# Allegro board RK_NVR_DEMO_RK3568_DDR4P216SD4_V12_20201221YWQ_final.brd (continued)
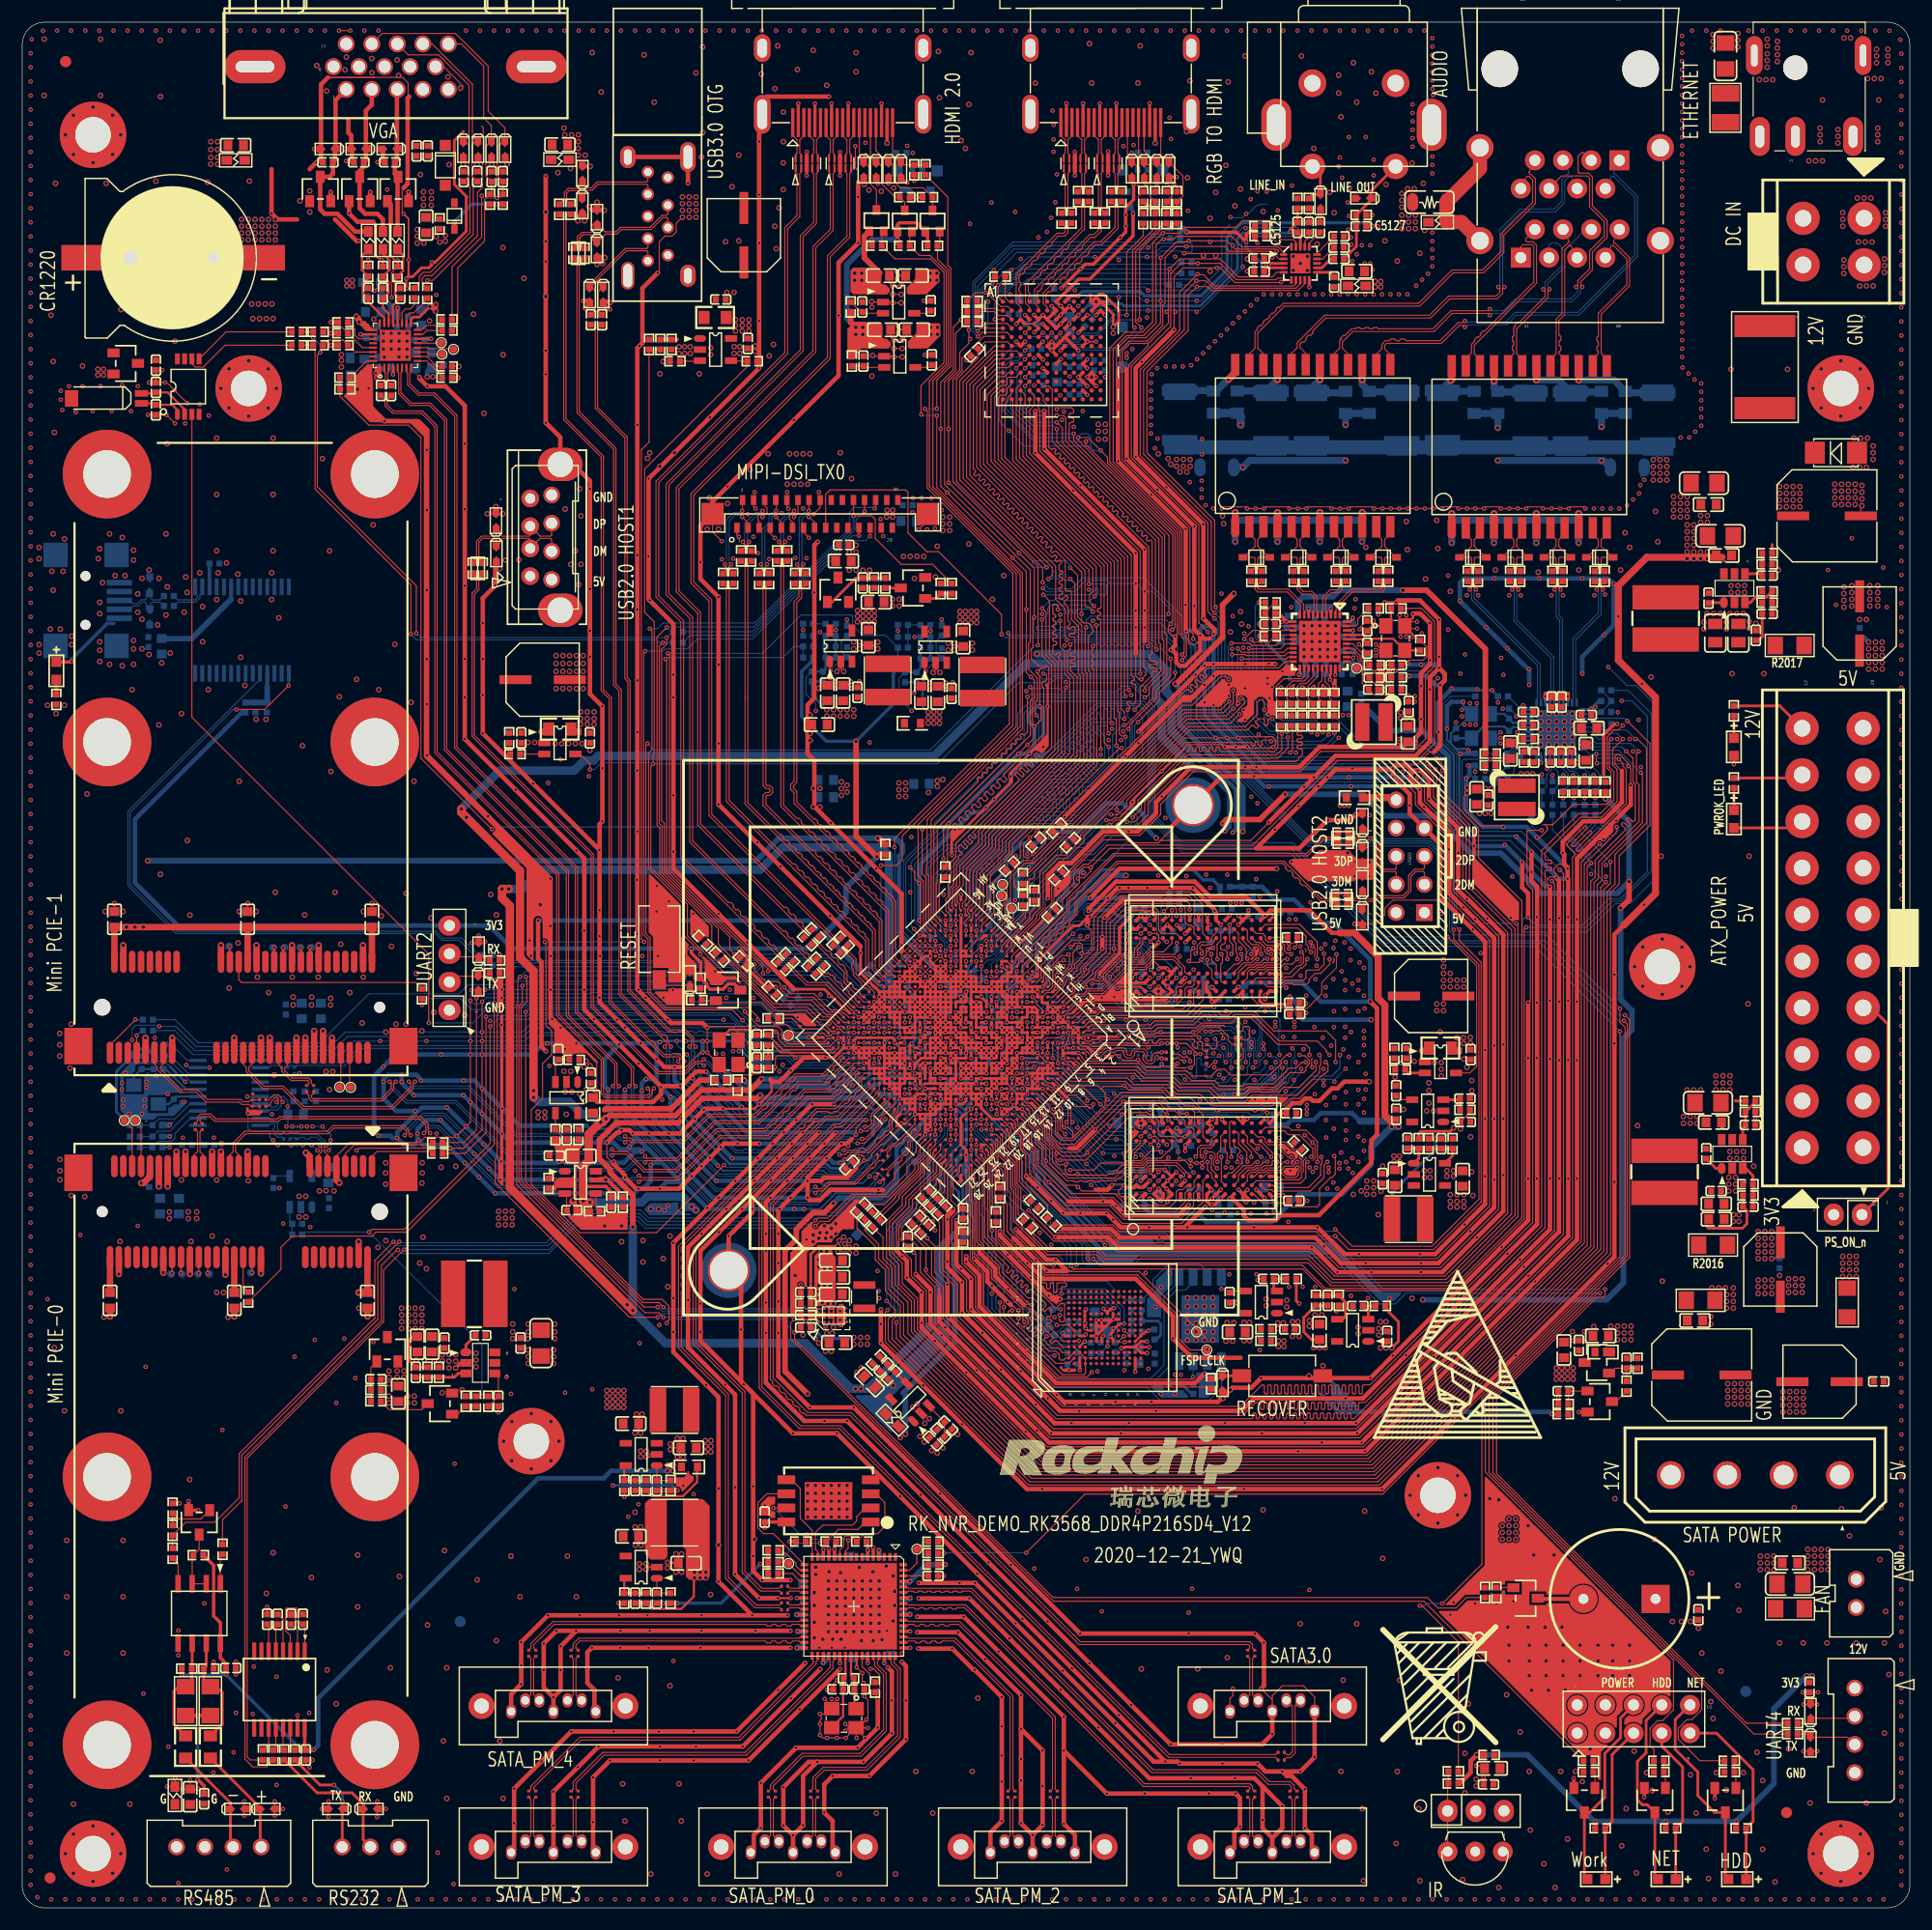
[diagram p0: board, top side]
## Routing (per net, layer and track width the routed paths; a pad name or vN(x,y) marks a point on that pad's centre or on a via; arc(x,y) is an arc through that point) (continued)
DDR4_A12: length 43.7
  TOP w0.102: U1000.C4 v1(94.69,78.43) ; v1(109.49,67.24) 109.49,67.89 109.74,68.14 109.74,68.28 109.46,68.57 109.29,68.57 109.19,68.67 U3301.M7 ; v1(109.49,85.52) 109.47,85.54 109.47,86.06 109.37,86.16 109.37,86.94 109.19,87.12 U3300.M7
  POWER w0.1: v1(109.49,67.24) 109.49,67.45 109.49,67.45 109.49,67.95 109.92,68.38 109.92,69.32 110.42,69.81 110.42,70.64 110.42,70.65 110.42,70.67 110.72,70.96 110.72,71.3 110.42,71.6 110.42,74.28 110.36,74.34 110.36,75.35 110.25,75.46 110.25,76.22 v1(110.24,76.24) 110.24,76.24 110.24,77.17 110.1,77.31 110.1,78.35 110.29,78.54 110.29,79.3 110.59,79.6 110.59,83.13 109.73,83.98 109.73,85.06 109.49,85.3 v1(109.49,85.52)
  BOTTOM w0.089: v1(94.69,78.44) 95.15,78.44 95.86,79.14
  BOTTOM w0.102: v1(110.24,76.24) 110.24,77.22 110.19,77.27 110.19,78.94 110.08,79.04 109.37,79.04 108.97,79.45 106.43,79.45 106.02,79.86 101.98,79.86 101.27,79.14 95.86,79.14
DDR4_A13: length 58
  TOP w0.102: v1(116.89,76.89) 116.99,76.78 116.99,76 116.89,75.9 116.89,75.29 114.86,73.25 110.79,73.25 110.19,72.64 107.92,72.64 106.91,73.66 104.14,73.66 103.59,74.21 100.18,74.21 99.59,74.8 94.64,74.8 93.76,75.68 U1000.B8 ; U3300.T8 112.49,88.32 114.93,88.32 115.67,87.58 115.67,86.87 115.87,86.66 115.87,86.42 v1(116.14,86.16) ; U3301.T8 112.49,70.04 113.74,70.04 114.08,69.7 115.04,69.7 116.28,68.45 116.28,67.82 v1(116.14,67.69)
  POWER w0.1: v1(116.14,67.69) 116.14,67.96 117.12,68.94 117.12,73.74 116.88,73.98 116.88,76.87 v1(116.89,76.89) 116.83,76.95 116.83,78.83 117.09,79.09 117.09,83.52 117.17,83.6 117.17,84.15 116.72,84.59 116.49,84.59 116.14,84.94 v1(116.14,86.16)
DDR4_A14_WEN: length 41.7
  TOP w0.102: v1(94.69,77.52) 94.69,77.52 U1000.C5 ; U3301.L2 108.05,65.48 108.05,67.68 v1(108.04,67.69) ; v1(108.04,85.97) 108.15,85.86 108.15,85.24 107.99,85.08 107.99,83.58 108.14,83.42 U3300.L2
  POWER w0.1: v1(108.04,85.97) 108.04,85.22 108.61,84.64 108.61,82.8 109.13,82.28 109.13,80.53 108.94,80.34 108.94,77.03 v1(108.79,76.89) 108.77,76.87 108.77,76.03 108.61,75.87 108.61,75.47 108.9,75.18 108.9,72.93 109.3,72.53 109.3,72.35 109.3,72.35 109.3,70.34 108.79,69.82 108.79,68.81 108.04,68.06 v1(108.04,67.69)
  BOTTOM w0.102: v1(94.69,77.52) 94.85,77.67 96.62,77.67 96.71,77.77 100.17,77.77 100.63,78.23 101.85,78.23 102.21,78.59 105.23,78.59 106.1,77.72 107.95,77.72 108.15,77.93 108.46,77.93 108.66,77.72 108.66,77.02 v1(108.79,76.89)
DDR4_A15_CASN: length 47
  TOP w0.102: U3300.M8 109.59,87.82 109.59,87.16 110.29,86.46 110.29,85.65 v1(110.39,85.55) ; U3301.M8 109.44,69.94 109.61,69.77 109.61,68.86 110.34,68.13 110.34,67.31 v1(110.39,67.26) ; U1000.E4 v1(94.23,78.89)
  POWER w0.1: v1(110.39,85.55) 110.39,85.42 110.45,85.37 110.45,84.25 111.31,83.38 111.31,78.78 111.14,78.61 111.14,76.45 111.14,76.45 v1(111.14,76.24) 111.19,76.19 111.19,76.04 111.24,75.99 111.24,75.48 111.19,75.44 111.19,75 111.43,74.77 111.43,70.67 111.13,70.37 111.13,69.51 110.64,69.02 110.64,68.1 110.39,67.86 110.39,67.45 110.39,67.45 v1(110.39,67.26)
  BOTTOM w0.089: 95.25,79.45 94.83,79.03 94.37,79.03 v1(94.23,78.89)
  BOTTOM w0.1: 110.08,79.45 110.19,79.45 110.49,79.15 110.49,78.64
  BOTTOM w0.102: 110.49,78.64 110.69,78.44 110.9,78.44 111.1,78.23 111.1,77.32 110.95,77.17 110.95,76.43 v1(111.14,76.24) ; 110.08,79.45 109.68,79.86 109.27,79.86 109.17,79.76 106.73,79.76 106.33,80.16 101.85,80.16 101.14,79.45 95.25,79.45
DDR4_A16_RASN: length 43.3
  TOP w0.102: v1(107.69,67.24) 107.69,68.02 107.99,68.32 107.99,69.54 108.15,69.7 U3301.L8 ; U1000.D5 v1(93.32,77.98) ; U3300.L8 107.99,87.82 107.99,87.19 107.66,86.86 107.66,85.55 v1(107.69,85.52)
  POWER w0.1: v1(107.69,85.52) 107.69,85.13 108.31,84.52 108.31,82.67 108.83,82.15 108.83,80.66 108.63,80.46 108.63,77.29 108.44,77.1 108.44,76.45 108.44,76.45 v1(108.44,76.24) 108.44,76.06 108.31,75.92 108.31,75.44 108.59,75.15 108.59,72.8 108.99,72.4 108.99,72.22 108.99,72.22 108.99,70.46 108.48,69.95 108.48,69.11 108.05,68.68 108.05,68.48 107.69,68.12 v1(107.69,67.24)
  BOTTOM w0.089: v1(93.32,77.98) 93.45,77.84 93.91,77.84 94.56,77.19 94.83,77.19 95.1,77.46
  BOTTOM w0.102: 95.1,77.46 100.32,77.46 100.79,77.93 102.06,77.93 102.41,78.28 105.05,78.28 105.92,77.42 107.75,77.42 108.25,76.91 108.25,76.42 v1(108.44,76.24)
DDR4_ACTN: length 46.8
  TOP w0.102: U1000.E6 v1(92.86,76.6) ; v1(109.84,67.69) 109.88,67.65 109.88,67.12 109,66.24 108.7,66.24 U3301.L3 ; v1(109.84,85.97) 109.88,85.93 109.88,85.41 109.54,85.07 109.24,85.07 U3300.L3
  POWER w0.1: v1(109.84,85.97) 109.84,85.32 110.04,85.12 110.04,84.08 110.91,83.21 110.91,79.49 110.59,79.17 110.59,78.41 110.4,78.22 110.4,77.43 110.59,77.24 v1(110.59,76.89) 110.59,76.04 110.56,76 110.56,75.57 110.66,75.46 110.66,74.46 110.72,74.41 110.72,71.73 111.02,71.43 111.02,70.84 110.72,70.54 110.72,69.68 110.23,69.19 110.23,68.26 109.84,67.88 v1(109.84,67.69)
  BOTTOM w0.089: 93.78,76.15 93.76,76.15 93.45,76.46 92.99,76.46 v1(92.86,76.6)
  BOTTOM w0.102: v1(110.59,76.89) 110.59,76 110.39,75.79 110.39,75.29 110.19,75.08 109.17,75.08 108.48,74.4 107.65,74.4 107.54,74.29 104.65,74.29 103.66,75.28 100.57,75.28 100.32,75.53 95.55,75.53 95.53,75.51 94.55,75.51 93.9,76.15 93.78,76.15
DDR4_BA0: length 58.3
  TOP w0.102: v1(113.99,67.24) 113.69,67.24 113.14,66.69 112.06,66.69 111.87,66.5 111.32,66.5 111.12,66.3 110.66,66.3 110.39,66.03 110.39,65.54 110.19,65.33 U3301.N2 ; U3300.N2 110.39,83.82 110.39,84.32 110.66,84.59 111.12,84.59 111.32,84.79 111.87,84.79 112.06,84.98 113.14,84.98 113.69,85.52 v1(113.99,85.52) ; v1(91.15,75.82) 91.01,75.68 U1000.E11
  POWER w0.1: v1(113.99,85.52) 113.99,85.31 113.99,85.3 113.99,85.09 114.49,84.59 114.49,83.82 115,83.31 115,78.35 114.81,78.15 114.81,77.14 114.74,77.08 114.74,76.46 114.74,76.46 v1(114.74,76.24) 114.61,76.11 114.61,75.29 115.07,74.84 115.07,70.86 115.31,70.62 115.31,70.31 114.72,69.73 114.72,68.97 114.25,68.49 114.25,68.07 113.99,67.82 113.99,67.24 v1(113.99,67.24)
  BOTTOM w0.089: 91.88,74.9 91.87,74.9 91.14,75.64 91.14,75.81 v1(91.15,75.82)
  BOTTOM w0.102: 91.88,74.9 92.45,74.34 93.29,74.34 93.86,73.76 98.6,73.76 98.9,73.46 102.44,73.46 103.28,72.62 105.31,72.62 105.79,72.14 107.37,72.14 107.47,72.24 111.51,72.24 111.8,72.53 112.31,72.53 113.33,73.56 113.33,73.66 114.1,74.42 114.1,74.73 114.74,75.37 v1(114.74,76.24)
DDR4_BA1: length 56
  TOP w0.102: U3300.N8 110.25,88.22 110.39,88.08 110.39,87.24 110.81,86.82 111.35,86.82 111.61,86.56 111.61,86.01 v1(111.64,85.97) ; U1000.E9 v1(90.1,76.6) ; v1(111.64,67.69) 111.61,67.72 111.55,67.72 110.98,68.29 110.98,68.36 110.39,68.95 110.39,69.54 110.21,69.72 U3301.N8
  POWER w0.1: v1(111.64,85.97) 111.64,84.49 112.29,83.85 112.29,83.33 112.7,82.92 112.7,80.21 112.49,80 112.49,77.04 112.39,76.94 v1(112.39,76.89) 112.39,76.88 112.39,76.22 112.39,76.22 112.39,76.05 112.23,75.89 112.23,75.5 112.45,75.28 112.45,73.48 112.8,73.13 112.8,71.97 113.08,71.68 113.08,70.7 112.17,69.79 112.17,69.12 111.91,68.86 111.91,68.2 111.79,68.07 111.79,67.83 v1(111.64,67.69)
  BOTTOM w0.089: 93.11,75.04 93.1,75.04 92.64,75.04 91.85,75.82 91.85,76.11 91.44,76.52 91.1,76.52 90.97,76.65 90.15,76.65 v1(90.1,76.6)
  BOTTOM w0.102: 93.11,75.04 93.58,75.04 94.13,74.49 99.42,74.49 99.72,74.2 103.13,74.2 104.02,73.3 107.39,73.3 107.75,72.95 110.08,72.95 110.69,73.56 111.51,73.56 112.27,74.32 112.78,74.32 113.21,74.75 113.21,75.87 113.33,76 113.33,76.33 112.95,76.71 112.57,76.71 v1(112.39,76.89)
DDR4_BG0: length 54.6
  TOP w0.102: U3300.M2 109.59,83.82 109.59,84.34 110.25,85 110.94,85 111.13,85.19 111.56,85.19 111.89,85.52 112.17,85.52 v1(112.19,85.55) ; U3301.M2 109.38,65.32 109.59,65.54 109.59,66.05 110.25,66.71 110.94,66.71 111.13,66.9 111.56,66.9 111.89,67.24 112.17,67.24 v1(112.19,67.26) ; U1000.F8 v1(91.48,77.98)
  POWER w0.1: v1(112.19,85.55) 112.19,84.52 112.69,84.02 112.69,83.6 113.13,83.16 113.13,80.47 113.26,80.34 113.26,79.29 112.94,78.97 v1(112.94,76.24) 112.89,76.19 112.89,75.39 113.18,75.1 113.18,73.32 113.54,72.97 113.54,70.58 112.58,69.62 112.58,68.95 112.32,68.69 112.32,67.99 112.19,67.87 112.19,67.45 112.19,67.45 v1(112.19,67.26)
  BOTTOM w0.089: v1(91.48,77.98) 91.34,77.84 91.34,77.38 91.16,77.2 91.16,77.2 91.15,77.19 91.15,76.92 91.34,76.73 91.72,76.73 92.1,76.36 92.1,75.98 92.72,75.35 93.21,75.35
  BOTTOM w0.102: v1(112.94,76.24) 112.9,76.2 112.9,75.57 112.62,75.29 112.52,75.29 111.3,74.07 110.39,74.07 110.01,73.69 108.08,73.69 107.98,73.58 104.17,73.58 103.23,74.52 99.87,74.52 99.6,74.8 94.26,74.8 93.7,75.35 93.21,75.35
DDR4_BG1: length 18.9
  TOP w0.102: U1000.F7 91.94,78.08 92.29,78.44 v1(93.77,78.44)
  BOTTOM w0.089: 94.57,78.1 94.57,78.1 94.34,78.34 93.88,78.34 93.78,78.44 v1(93.77,78.44)
  BOTTOM w0.102: 94.57,78.1 94.6,78.08 96.22,78.08 96.37,78.23 99.92,78.23 100.33,78.64 101.55,78.64 102.21,79.3 105.77,79.3 106.43,78.64 107.24,78.64 107.37,78.77 108.53,78.77 108.92,78.38 R3320.2
DDR4_CKE: length 15
  TOP w0.089: R3307.1 R3306.2 106.48,77.25 106.43,77.3
  TOP w0.102: 106.43,77.3 106.32,77.4 106.32,77.99 106.22,78.09 106.02,78.09 105.92,77.99 105.92,77.58 105.82,77.48 105.66,77.48 105.43,77.7 105.43,77.85 105.63,78.05 105.63,78.21 105.56,78.28 102.51,78.28 102.16,77.93 101.96,77.93 101.85,78.03 101.85,78.13 101.75,78.23 101.55,78.23 101.45,78.13 101.45,78.03 101.35,77.93 101.16,77.93 101.06,78.03 101.06,78.13 100.96,78.23 100.75,78.23 100.65,78.13 100.65,78.03 100.55,77.93 99.6,77.93 99.57,77.96 97.37,77.96 97.04,77.64 96.43,77.64 96.17,77.9 95.69,77.9 U1000.B3
DDR4_CKE_A: length 14.5
  TOP w0.102: U3300.K2 107.19,83.82 107.19,84.53 106.77,84.96 v1(106.77,85.45) ; v1(107.48,78.34) 107.65,78.17 107.65,77.62 107.45,77.43 107.23,77.43 106.86,77.8 R3306.1
  POWER w0.089: v1(107.48,78.34) 107.54,78.4 107.54,79.12 107.31,79.35 106.34,79.35 106.25,79.44 106.25,79.67 106.34,79.76 107.44,79.76 107.54,79.86 107.54,80.48 107.74,80.68 107.74,81.05 108.08,81.39 108.08,81.86 107.75,82.19
  POWER w0.1: 107.75,82.19 107.59,82.35 107.59,83.34 107.44,83.49 107.44,84.38 106.79,85.03 106.79,85.42 v1(106.77,85.45)
DDR4_CKE_B: length 13.9
  TOP w0.102: U3301.K2 107.59,65.41 107.19,65.81 107.19,66.14 106.79,66.54 v1(106.79,67.24) ; R3307.2 106.73,75.9 106.83,75.79 106.93,75.79 107.4,76.26 v1(107.52,76.26)
  POWER w0.089: 107.14,68.64 107.14,68.58 107.14,68.58
  POWER w0.1: 107.14,68.64 107.14,69.29 107.75,69.9 107.75,71.41 108.15,71.82 108.15,72.04 107.54,72.64 107.54,74.54 107.48,74.6 107.48,75.33 107.85,75.69 107.85,76 107.61,76.24 107.59,76.24 107.57,76.26 v1(107.52,76.26) ; 107.14,68.58 106.99,68.43 106.99,68.04 106.81,67.85 106.81,67.25 v1(106.79,67.24)
DDR4_CLKN: length 11.6
  TOP w0.097: R3305.1 102.72,76.5 v1(102.67,76.56) 102.57,76.56 102.31,76.81 102.15,76.81 102.06,76.72 102.06,76.34 101.81,76.1 101.34,76.1 100.98,76.45 100.98,76.8 101.1,76.92 101.1,77.05 100.99,77.17 100.31,77.17 100.21,77.07 100.21,76.85 99.97,76.61 99.52,76.61 99.27,76.86 99.27,77.18 99.17,77.27 98.6,77.27 98.47,77.14 98.13,77.14 97.99,77.27 97.72,77.27 96.97,76.53 95.99,76.53 95.89,76.63 95.89,76.84 95.67,77.06 U1000.A4
  BOTTOM w0.097: R3301.1 102.34,76.56 v1(102.67,76.56) 103.05,76.56 R3305.1
DDR4_CLKN_A: length 17.9
  TOP w0.097: U3300.K8 107.59,87.92 107.14,87.47 107.14,87.17 107.05,87.07 106.2,87.07 105.87,86.74 105.87,86.16 v1(105.73,86.02)
  POWER w0.097: v1(105.73,86.02) 105.74,86.01 105.74,85.88 105.62,85.76 105.62,85.26 106.32,84.56 106.32,80.77 105.81,80.26 105.63,80.26 105.46,80.42 105.12,80.42 104.8,80.1 104.8,79.76 105.02,79.54 105.02,79.4 104.91,79.29 104.18,79.29 103.85,78.96 103.85,78.62 104.18,78.29 104.9,78.29 105.04,78.14 105.04,77.84 104.83,77.62 104.83,77.24 v1(104.7,77.11)
  BOTTOM w0.097: v1(104.7,77.11) 104.89,76.93 104.89,76.75 104.79,76.66 104.55,76.66 104.39,76.81 104.16,76.81 103.86,76.5 R3304.1
DDR4_CLKN_B: length 18.2
  TOP w0.097: U3301.K8 107.59,69.64 107.45,69.49 107.34,69.49 107.14,69.3 107.14,68.88 107,68.74 106.19,68.74 105.89,68.44 105.89,67.89 v1(105.74,67.74) ; R3305.2 103.75,76.61 104.19,76.61 104.39,76.4 104.61,76.4 v1(104.71,76.3)
  POWER w0.097: v1(105.74,67.74) 105.89,67.89 105.89,68.25 106.35,68.71 106.35,68.96 106.22,69.09 106.22,69.38 106.35,69.51 106.35,69.8 106.22,69.92 106.22,70.21 106.35,70.34 106.35,71.61 106.22,71.74 106.22,72.03 106.35,72.16 106.35,72.31 106.58,72.54 106.58,73.36 106.43,73.51 106.43,73.8 106.58,73.96 106.58,74.25 106.43,74.4 106.43,74.69 106.58,74.85 106.58,76.2 106.48,76.3 106.26,76.3 106.17,76.2 106.17,75.49 105.61,74.94 105.18,74.94 104.6,75.52 104.6,75.94 104.76,76.11 104.76,76.25 v1(104.71,76.3)
DDR4_CLKP: length 11.9
  TOP w0.097: U1000.B4 95.3,77.37 95.74,77.37 96.33,76.78 96.87,76.78 97.62,77.52 98.1,77.52 98.23,77.39 98.37,77.39 98.5,77.52 99.27,77.52 99.52,77.28 99.52,76.96 99.62,76.86 99.86,76.86 99.96,76.95 99.96,77.18 100.2,77.42 101.09,77.42 101.37,77.14 101.37,76.83 101.23,76.69 101.23,76.56 101.44,76.35 101.71,76.35 101.81,76.44 101.81,76.83 102.05,77.06 102.36,77.06 102.36,77.06 102.61,77.06 v1(102.67,77.11) 102.71,77.16 103.06,77.16 R3303.1
  BOTTOM w0.097: R3300.1 v1(102.67,77.11) R3303.1
DDR4_CLKP_A: length 17.5
  TOP w0.097: U3300.K7 107.39,87.22 107.39,87.07 107.15,86.82 106.73,86.82 106.67,86.77 106.48,86.77 106.43,86.82 106.3,86.82 106.12,86.64 106.12,86.46 106.22,86.36 106.32,86.36 106.41,86.28 106.41,86.14 106.29,86.02 v1(106.28,86.02)
  POWER w0.097: v1(106.28,86.02) 106.26,86.01 106.17,86.01 105.99,85.82 105.99,85.77 105.87,85.66 105.87,85.36 106.57,84.67 106.57,80.66 105.91,80.01 105.52,80.01 105.36,80.17 105.22,80.17 105.05,80 105.05,79.86 105.26,79.64 105.26,79.3 105.01,79.04 104.29,79.04 104.1,78.86 104.1,78.72 104.29,78.54 105,78.54 105.29,78.25 105.29,77.74 105.08,77.52 105.08,77.24 v1(105.21,77.11)
  BOTTOM w0.097: R3302.1 103.7,77.07 104.14,77.07 104.6,77.52 104.8,77.52 v1(105.21,77.11)
DDR4_CLKP_B: length 17.6
  TOP w0.097: v1(106.29,67.74) 106.14,67.88 106.14,68.33 106.3,68.49 107.1,68.49 107.39,68.78 107.39,68.94 U3301.K7 ; v1(105.23,76.3) 105.23,76.48 105,76.71 104.5,76.71 104.27,76.93 103.75,76.93 103.65,77.03 R3303.2
  POWER w0.097: v1(105.23,76.3) 105.01,76.08 105.01,76.01 104.85,75.84 104.85,75.62 105.29,75.18 105.51,75.18 105.92,75.59 105.92,76.3 106.16,76.54 106.59,76.54 106.83,76.3 106.83,75.15 106.83,75.14 106.83,72.44 106.6,72.21 106.6,68.61 106.14,68.15 106.14,67.88 v1(106.29,67.74)
DDR4_CS0N: length 14.8
  TOP w0.089: 108.66,78.24 109.07,77.83 R3309.1 109.3,78.24
  TOP w0.1: 108.66,78.24 108.66,78.56 108.52,78.7 ; 109.3,78.24 R3308.2
  TOP w0.102: U1000.A2 96.98,77.98 97.27,78.27 99.69,78.27 99.73,78.23 100.23,78.23 100.53,78.54 102.16,78.54 102.21,78.59 105.66,78.59 106.43,79.35 107.87,79.35 108.52,78.7
DDR4_CS0N_A: length 13.2
  TOP w0.089: 110.05,78.24 110.05,78.23 110.29,78.23 110.29,78.24 110.39,78.24
  TOP w0.1: v1(109.52,79.45) 109.52,79.1 109.63,78.99 109.88,78.99 109.98,79.09 109.98,79.35 110.08,79.45 110.49,79.45 110.59,79.35 110.59,78.44 110.39,78.24 ; R3308.1 110.05,78.24
  TOP w0.102: v1(108.59,85.52) 108.56,85.56 108.56,86.16 108.36,86.36 108.07,86.36 107.97,86.46 107.97,86.69 108.15,86.87 108.29,86.87 108.39,86.97 U3300.L7
  POWER w0.1: v1(109.52,79.45) 109.52,79.5 109.34,79.68 109.34,80.17 109.54,80.37 109.54,81.67 109.85,81.98 109.85,82.33 109.68,82.5 109.58,82.5 109.02,83.06 109.02,84.81 108.59,85.24 v1(108.59,85.52)
DDR4_CS0N_B: length 13.7
  TOP w0.089: v1(109.34,76.24) 109.61,76.24 110.03,76.65 110.03,77.42 109.85,77.59 R3309.2
  TOP w0.102: v1(108.59,67.24) 108.56,67.27 108.56,68.07 108.39,68.24 U3301.L7
  POWER w0.1: v1(108.59,67.24) 108.59,68.04 109.2,68.65 109.2,69.6 109.71,70.1 109.71,73.52 109.6,73.62 109.6,75.09 109.29,75.4 109.29,76.19 v1(109.34,76.24)
DDR4_DML_A: length 15.7
  TOP w0.089: U1000.H5 v1(92.4,79.81)
  TOP w0.102: U3300.E7 103.59,86.95 102.81,86.17 101.6,86.17 100.87,85.44 99.69,85.44 99.49,85.65 99.22,85.65 97.64,84.07 97.64,83.58 97.36,83.3 v1(96.41,83.3)
  BOTTOM w0.089: v1(92.4,79.81) 92.86,79.81 93.38,80.34 93.38,80.34 93.82,80.78 93.95,80.78
  BOTTOM w0.102: v1(96.41,83.3) 96.41,83.06 94.13,80.78 93.95,80.78
DDR4_DML_B: length 21.3
  TOP w0.102: U1000.E17 v1(87.8,73.38) ; U3301.E7 103.59,68.54 102.61,67.56 101.3,67.56 100.88,67.14 97.19,67.14 96.56,66.51 v1(94.43,66.51)
  BOTTOM w0.089: 88.7,72.04 88.68,72.04 88.39,72.33 88.39,72.33 87.8,72.92 87.8,73.38 v1(87.8,73.38)
  BOTTOM w0.102: 88.7,72.04 89.39,71.34 89.78,71.34 92.23,68.9 92.23,67.99 93.7,66.51 v1(94.43,66.51)
DDR4_DMU_A: length 20.6
  TOP w0.102: U1000.J4 91.94,80.94 91.39,81.48 91.39,81.74 v1(91.02,82.11) ; U3300.E2 v1(103.99,83.82)
  BOTTOM w0.102: v1(91.02,82.11) 91.49,82.11 92.9,83.52 92.9,85.63 94.45,87.18 95.15,87.18 95.44,86.89 96.52,86.89 96.8,87.18 98.94,87.18 99.22,86.9 101.02,86.9 102.18,85.74 102.68,85.74 103.89,84.53 103.89,83.93 v1(103.99,83.82)
DDR4_DMU_B: length 19.3
  TOP w0.102: U3301.E2 v1(103.99,65.53) ; U1000.D14 v1(90.1,73.84)
  BOTTOM w0.102: v1(90.1,73.84) 90.23,73.71 90.69,73.71 90.89,73.52 90.89,73.51 92.81,71.59 93.36,71.59 93.76,72 94.76,72 95.88,70.88 95.88,70.48 97.63,68.73 100.89,68.73 102.29,67.34 102.78,67.34 103.38,66.74 103.38,66.14 v1(103.99,65.53)
DDR4_DQL0_A: length 12.6
  TOP w0.102: U1000.F2 94.68,80.27 95.04,80.64 95.12,80.64 95.92,81.44 96.61,81.44 96.72,81.54 103.13,81.54 103.98,82.4 103.98,82.91 104.09,83.02 104.48,83.02 104.88,83.42 U3300.G2
DDR4_DQL0_B: length 21.5
  TOP w0.102: U3301.G2 104.95,65.14 104.55,64.74 104.18,64.74 103.98,64.54 103.98,63.74 103.37,63.13 99.7,63.13 98.45,64.38 94.55,64.38 91.88,67.05 91.88,68.38 91.28,68.98 91.28,70.03 90.65,70.66 90.65,70.88 90.1,71.43 U1000.A16
DDR4_DQL1_A: length 20.5
  TOP w0.102: U1000.H4 v1(92.85,80.27) ; v1(95.2,82.84) 95.21,82.84 95.21,82.96 96.45,84.2 96.45,84.49 98.03,86.07 98.03,88.75 99.44,90.16 102.06,90.16 102.4,89.82 102.4,88.12 102.69,87.82 103.99,87.82 U3300.F7
  BOTTOM w0.089: 93.19,81.07 92.86,80.73 92.86,80.27 v1(92.85,80.27)
  BOTTOM w0.102: 93.19,81.07 93.19,81.08 93.75,81.64 94.29,81.64 95.2,82.55 v1(95.2,82.84)
DDR4_DQL1_B: length 22.3
  TOP w0.102: U3301.F7 104.14,69.14 103.74,69.54 102.59,69.54 102.36,69.76 102.36,70.96 101.79,71.53 101.51,71.53 101.35,71.69 100.14,71.69 95.85,67.4 v1(93.5,67.4) ; U1000.D17 v1(88.72,72.46)
  BOTTOM w0.102: v1(88.72,72.46) 89.44,71.74 89.89,71.74 92.58,69.04 92.58,68.14 93.31,67.4 v1(93.5,67.4)
DDR4_DQL2_A: length 13.2
  TOP w0.102: U1000.E1 95.91,81.03 95.96,81.08 96.76,81.08 96.87,81.19 103.77,81.19 104.78,82.2 104.78,82.83 104.99,83.04 105.39,83.04 105.59,83.24 105.59,83.82 U3300.H3
DDR4_DQL2_B: length 24.2
  TOP w0.102: U1000.B17 89.64,71.54 90.39,70.79 90.39,70.42 90.93,69.88 90.93,68.84 91.53,68.24 91.53,66.9 94.4,64.03 98.3,64.03 99.56,62.77 103.92,62.77 104.78,63.64 104.78,64.44 105.08,64.74 105.38,64.74 105.59,64.94 105.59,65.54 U3301.H3
DDR4_DQL3_A: length 20.3
  TOP w0.102: U3300.H7 105.59,87.82 105.59,88.31 105.33,88.57 105.05,88.57 104.78,88.83 104.78,90.12 104.38,90.52 99.29,90.52 97.67,88.9 97.67,86.22 96.09,84.64 96.09,84.35 94.85,83.11 94.85,82.6 94.59,82.34 94.45,82.34 93.77,81.66 U1000.H1
DDR4_DQL3_B: length 22.5
  TOP w0.102: U3301.H7 105.78,69.35 105.58,69.54 105.58,70.14 105.38,70.34 104.98,70.34 104.78,70.54 104.78,70.94 103.87,71.85 103.18,71.85 102.49,72.54 99.56,72.54 95.14,68.12 93.65,68.12 92.34,69.42 92.34,70.47 91.97,70.84 91.97,71.98 91.03,72.92 U1000.B14
DDR4_DQL4_A: length 13.7
  TOP w0.102: U3300.H2 105.99,83.11 105.54,82.66 105.54,81.49 104.83,80.78 97.14,80.78 96.76,80.4 95.74,80.4 95.15,79.81 U1000.E2
DDR4_DQL4_B: length 24.1
  TOP w0.102: U3301.H2 105.99,64.84 105.54,64.39 105.54,63.29 104.3,62.05 99.27,62.05 98.01,63.32 94.11,63.32 91.12,66.31 91.12,68.07 90.52,68.67 90.52,69.67 89.71,70.48 89.71,71.01 U1000.A17
DDR4_DQL5_A: length 21.9
  TOP w0.102: U1000.J2 93.32,81.65 94.19,82.53 94.19,82.94 94.19,82.94 94.37,83.11 94.37,83.36 95.39,84.38 95.39,84.73 96.91,86.25 96.91,89.15 98.99,91.23 105.09,91.23 105.64,90.68 105.64,88.76 105.99,88.41 U3300.H8
DDR4_DQL5_B: length 21.4
  TOP w0.102: U3301.H8 105.99,70.25 105.63,70.61 105.63,71.73 105.44,71.93 104.61,71.93 104.04,72.51 103.31,72.51 102.68,73.15 99.17,73.15 94.85,68.83 93.51,68.83 92.75,69.58 92.75,71.13 92.25,71.64 92.25,72.15 U1000.A13
DDR4_DQL6_A: length 14.2
  TOP w0.102: U3300.J3 106.38,83.81 106.38,81.83 104.98,80.43 97.29,80.43 97,80.14 95.94,80.14 U1000.D1
DDR4_DQL6_B: length 26.8
  TOP w0.102: U3301.J3 106.61,65.75 106.38,65.53 106.38,63.63 104.45,61.7 99.12,61.7 97.86,62.96 93.96,62.96 90.76,66.16 90.76,67.86 90.19,68.44 90.19,69.64 89.49,70.33 89.49,70.75 89.16,71.08 U1000.B18
DDR4_DQL7_A: length 23
  TOP w0.102: U1000.J1 93.79,82.59 93.79,83.04 93.96,83.21 93.96,83.45 95.03,84.52 95.03,84.89 96.56,86.41 96.56,89.29 98.85,91.58 105.24,91.58 106.35,90.47 106.35,87.87 U3300.J7
DDR4_DQL7_B: length 23.4
  TOP w0.102: U1000.B13 91.46,73.38 92.58,72.26 92.58,71.8 93.11,71.28 93.11,69.73 93.66,69.18 94.7,69.18 99.02,73.5 102.83,73.5 103.46,72.87 104.18,72.87 104.76,72.29 105.59,72.29 106.38,71.49 106.38,69.54 106.43,69.5 U3301.J7
DDR4_DQSL_N_A: length 13.5
  TOP w0.097: U3300.F3 104.5,84.33 104.5,84.69 103.72,85.47 101.83,85.47 101.14,84.79 99.78,84.79 97.39,82.41 96.3,82.41 95.81,81.92 95.41,81.92 94.37,80.87 93.91,80.87 U1000.G2
DDR4_DQSL_N_B: length 20.8
  TOP w0.097: U1000.A15 90.62,72 90.79,71.83 90.79,71.54 90.89,71.44 91.19,71.44 91.32,71.31 91.32,71.08 91.14,70.91 91.14,70.74 91.69,70.19 91.69,69.15 92.58,68.26 92.58,67.1 94.14,65.54 94.74,65.54 94.85,65.43 95.15,65.43 95.25,65.54 95.55,65.54 95.66,65.43 95.96,65.43 96.07,65.54 96.57,65.54 96.68,65.43 96.98,65.43 97.08,65.54 98.53,65.54 98.82,65.82 99,65.82 99.22,66.05 99.22,66.23 99.48,66.49 101.15,66.49 101.57,66.91 103.95,66.91 104.75,66.12 104.75,65.96 104.65,65.86 104.46,65.86 U3301.F3
DDR4_DQSL_P_A: length 13.7
  TOP w0.097: U3300.G3 104.91,84.22 104.74,84.38 104.74,84.8 103.82,85.72 101.72,85.72 101.04,85.04 99.67,85.04 97.29,82.66 96.2,82.66 95.7,82.16 95.31,82.16 94.34,81.19 U1000.G1
DDR4_DQSL_P_B: length 20.7
  TOP w0.097: U3301.G3 105.19,66.03 104.06,67.16 101.47,67.16 101.04,66.74 99.38,66.74 98.43,65.79 94.25,65.79 92.83,67.2 92.83,68.36 91.94,69.26 91.94,70.3 91.56,70.67 91.56,71.41 90.86,72.11 90.86,72.14 90.69,72.31 90.34,72.31 90.19,72.46 U1000.B15
DDR4_DQSU_N_A: length 13.1
  TOP w0.097: U1000.L1 92.49,83.03 92.59,83.13 92.59,83.52 92.46,83.65 92.46,83.9 92.58,84.02 92.58,84.1 92.58,84.49 93.38,85.28 93.67,85.28 v1(93.82,85.44) ; v1(100.08,86.01) 100.23,86.16 100.23,86.48 100.71,86.97 100.71,87.33 100.61,87.42 U3300.A7
  BOTTOM w0.097: v1(100.08,86.01) 100.23,85.86 100.23,85.8 99.93,85.5 99.79,85.5 99.37,85.92 99.01,85.92 98.86,86.08 98.58,86.08 98.43,85.92 98.15,85.92 98,86.08 97.72,86.08 97.57,85.92 97.29,85.92 97.14,86.08 96.86,86.08 96.7,85.92 96.4,85.92 96.27,86.06 95.94,86.06 95.52,85.64 95.08,85.64 94.73,85.28 93.98,85.28 v1(93.82,85.44)
DDR4_DQSU_N_B: length 14.7
  TOP w0.097: v1(94.63,70.84) 94.48,70.99 94.48,72.21 92.52,74.17 92.07,74.17 U1000.B11 ; v1(99.77,67.7) 99.98,67.9 99.98,68.16 100.76,68.94 100.76,69.09 100.66,69.18 100.44,69.18 U3301.A7
  BOTTOM w0.097: v1(99.77,67.7) 99.88,67.59 99.88,67.33 99.78,67.24 97.63,67.24 94.48,70.38 94.48,70.68 v1(94.63,70.84)
DDR4_DQSU_P_A: length 13.3
  TOP w0.097: U3300.B7 101.06,87.42 100.96,87.33 100.96,86.86 100.48,86.38 100.48,86.16 v1(100.63,86.01) ; U1000.L2 92.07,82.71 92.51,82.71 92.84,83.03 92.84,83.8 92.84,84.39 93.48,85.04 93.67,85.04 v1(93.82,84.88)
  BOTTOM w0.097: v1(93.82,84.88) 93.98,85.04 94.83,85.04 95.19,85.39 95.63,85.39 95.91,85.67 99.27,85.67 99.69,85.25 100.03,85.25 100.48,85.69 100.48,85.86 v1(100.63,86.01)
DDR4_DQSU_P_B: length 14.4
  TOP w0.097: v1(94.08,70.84) 94.23,70.99 94.23,72.1 93.55,72.78 93.34,72.78 93.14,72.98 93.14,73.2 92.5,73.84 U1000.A11 ; U3301.B7 101.19,69.02 100.22,68.05 100.22,67.87 100.29,67.8 100.29,67.73 v1(100.33,67.7)
  BOTTOM w0.097: v1(94.08,70.84) 94.23,70.68 94.23,70.28 97.53,66.99 99.88,66.99 100.13,67.23 100.13,67.5 v1(100.33,67.7)
DDR4_DQU0_A: length 12.8
  TOP w0.102: U3300.A3 v1(99.99,83.82) ; U1000.L4 v1(90.56,81.65)
  BOTTOM w0.102: v1(90.56,81.65) 91.47,81.65 93.62,83.8 93.8,83.8 94.4,84.4 95.06,84.4 95.6,84.94 96.19,84.94 96.48,85.23 98.69,85.23 99.19,84.73 99.19,84.32 99.69,83.82 v1(99.99,83.82)
DDR4_DQU0_B: length 13
  TOP w0.102: v1(99.99,65.54) 100.16,65.7 U3301.A3 ; v1(93.98,69.74) 93.52,70.2 93.52,71.97 92.75,72.74 92.58,72.74 U1000.A12
  BOTTOM w0.102: v1(93.98,69.74) 93.98,69.54 97.84,65.68 99.14,65.68 99.29,65.54 v1(99.99,65.54)
DDR4_DQU1_A: length 13.2
  TOP w0.102: U3300.B8 v1(100.79,87.82) ; v1(94.68,87.79) 94.63,87.79 91.81,84.96 91.81,83.84 91.46,83.49 U1000.N2
  BOTTOM w0.102: v1(100.79,87.82) 100,87.82 99.78,88.04 99.78,88.04 99.55,88.26 96.21,88.26 96.17,88.22 95.11,88.22 v1(94.68,87.79)
DDR4_DQU1_B: length 14.5
  TOP w0.102: v1(100.79,69.54) U3301.B8 ; U1000.E12 v1(89.64,75.22)
  BOTTOM w0.089: 91.88,73.44 90.2,75.12 89.74,75.12 v1(89.64,75.22)
  BOTTOM w0.102: 91.88,73.44 92.52,72.8 95.06,72.8 97.88,69.98 99.33,69.98 99.73,69.58 100.74,69.58 v1(100.79,69.54)
DDR4_DQU2_A: length 14.8
  TOP w0.102: v1(95.17,86.61) 94.68,86.12 94.68,85.2 94.57,85.09 94.57,84.8 93.28,83.51 93.28,83.21 93.49,82.99 93.49,82.74 92.87,82.11 U1000.K2 ; U3300.C3 101.68,84.53 v1(101.68,84.56)